# Altium PCB ssmaster.PcbDoc (part 2 of 2)
Units mm, origin at the board's own origin, x right, y up, seen from the top; angles counter-clockwise.
Board outline 103 x 75 mm, 4 copper layers (Top Layer, Ground Plane 1, Mid-Layer 1, Bottom Layer); 133 components, 273 nets, 1054 pads, 471 vias.
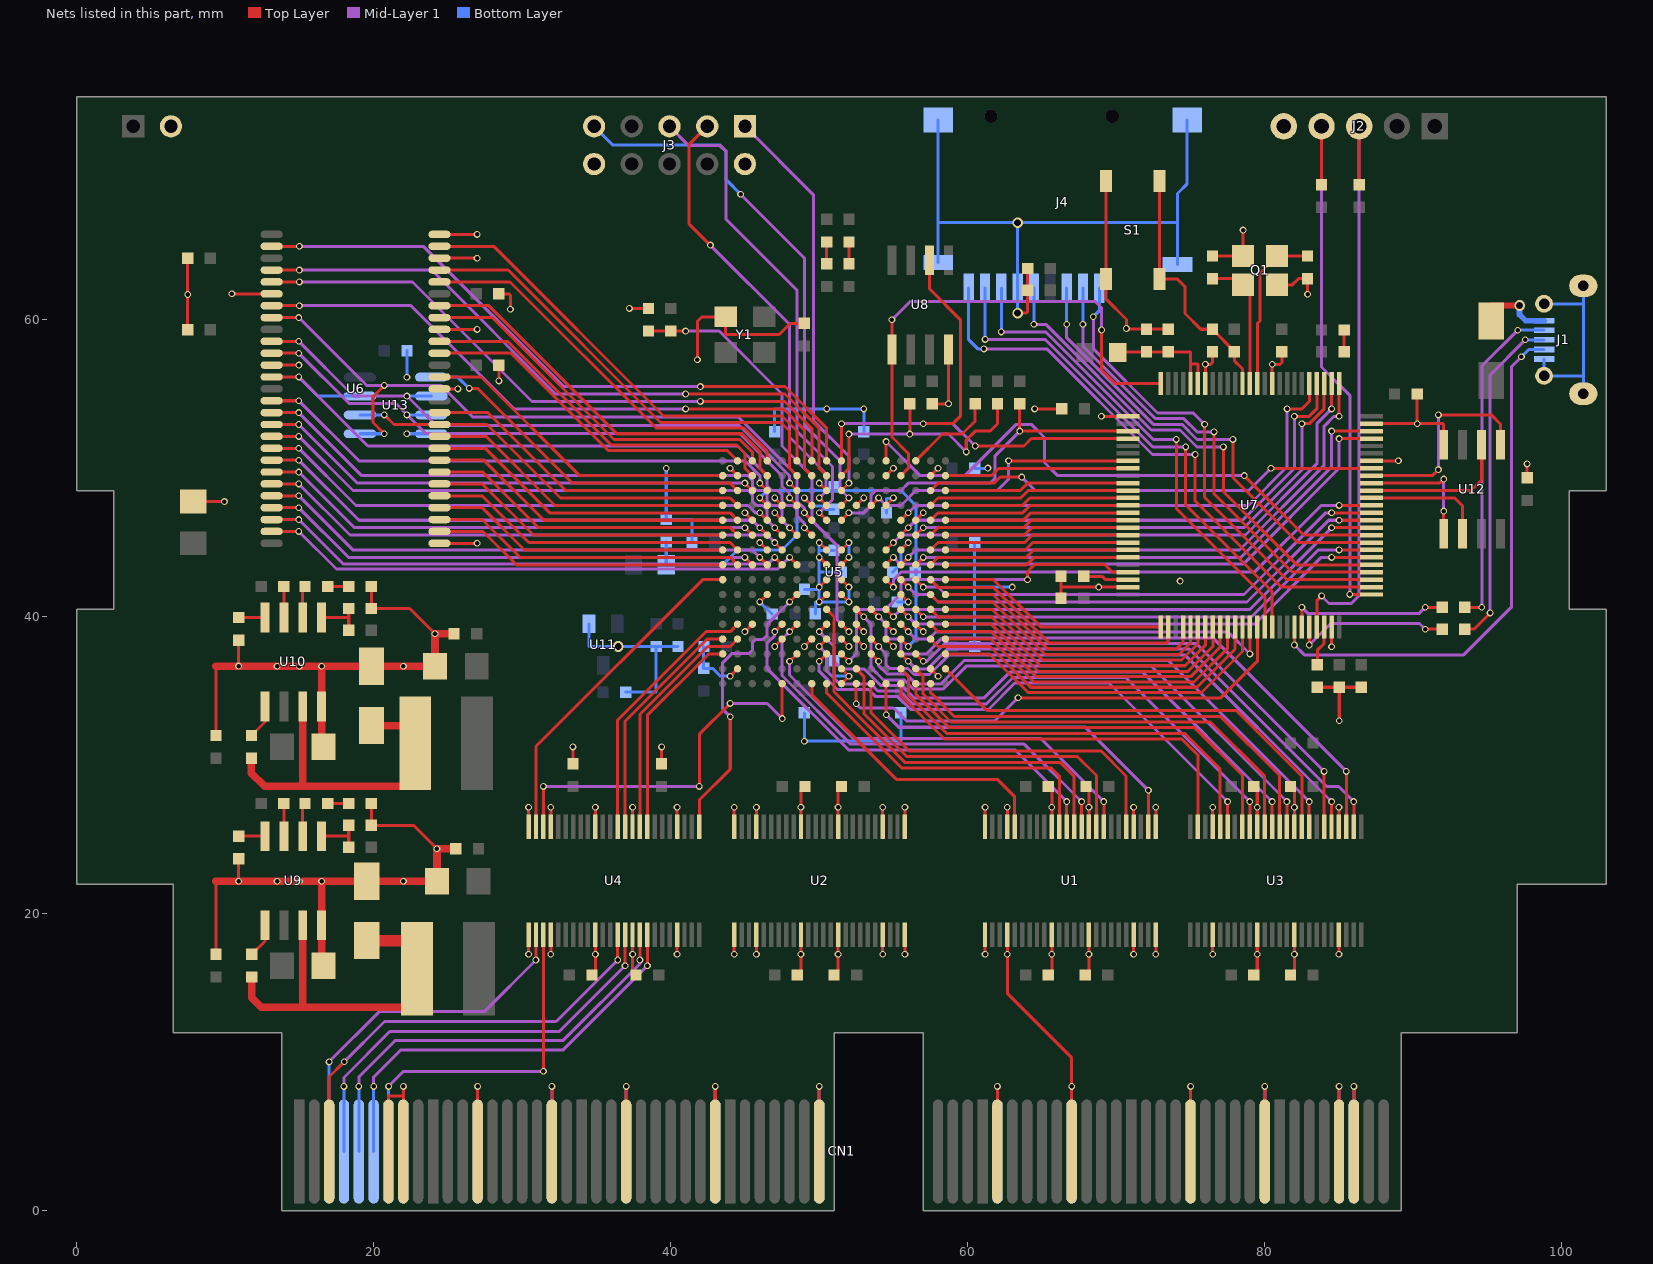
[diagram p4: the nets of this part, all layers, seen from the top]

## Via types
v1: diameter 0.457, hole 0.305, Top Layer to Bottom Layer, 446 vias
v2: diameter 0.711, hole 0.457, Top Layer to Bottom Layer, 25 vias

## Nets (pads, with @x,y where several pads share a name; then routed paths per layer and width w, separated by ;. In a path a pad name is that pad's centre, name@x,y a point inside that pad or via, vN(x,y) a via of type N, cw(c..) or ccw(c..) an arc to the next point about the centre after c; other vN are vias at no path point) (continued)
FD1: U3.43 U5.J14 | length 35.7
  Top Layer w0.203: v1(50,37) U5.J14@50.5,37.5 ; U3.43@77.493,25.85 v1(77.493,27.559)
  Mid-Layer 1 w0.203: v1(50,37) 50,36.333 51.23,35.103 53.315,35.103 53.797,34.62 55.296,34.62 56.159,33.757 61.392,33.757 63.17,35.535 69.518,35.535 v1(77.493,27.559)
FD2: U3.40 U5.J13 | length 37.9
  Top Layer w0.203: v1(50,38) U5.J13@50.5,38.5 ; U3.40@78.993,25.85 v1(78.993,27.559)
  Mid-Layer 1 w0.203: v1(50,38) 50.5,37.5 50.5,36.343 51.359,35.484 53.467,35.484 53.95,35.001 55.423,35.001 56.286,34.138 61.265,34.138 63.043,35.916 70.637,35.916 v1(78.993,27.559)
FD3: U3.37 U5.J12 | length 39.7
  Top Layer w0.203: v1(50,39) U5.J12@50.5,39.5 ; U3.37@80.493,25.85 v1(80.493,27.559)
  Mid-Layer 1 w0.203: v1(50,39) 51,38 51,37 51.5,36.5 53.01,36.5 54.127,35.382 55.55,35.382 56.413,34.519 61.087,34.519 62.865,36.297 71.756,36.297 v1(80.493,27.559)
FD4: U3.38 U5.C15 | length 30.6
  Top Layer w0.203: U5.C15@56.5,36.5 57,36 57,34.796 58.877,32.918 76.343,32.918 79.993,29.268 U3.38@79.993,25.85
FD5: U3.41 U5.C16 | length 28.4
  Top Layer w0.203: U5.C16@56.5,35.5 56.5,34.788 58.75,32.537 75.276,32.537 78.493,29.32 U3.41@78.493,25.85
FD6: U3.44 U5.D15 | length 28.9
  Top Layer w0.203: U5.D15@55.5,36.5 56,36 56,34.729 58.572,32.156 74.59,32.156 76.993,29.754 U3.44@76.993,25.85
FD7: U3.47 U5.D16 | length 27.3
  Top Layer w0.203: U5.D16@55.5,35.5 55.5,34.712 58.436,31.775 74.416,31.775 75.493,30.698 U3.47@75.493,25.85
FD8: U3.35 U5.G11 | length 39.1
  Top Layer w0.203: U5.G11@52.5,40.5 v1(53,40) ; U3.35@81.493,25.85 v1(81.493,27.559)
  Mid-Layer 1 w0.203: v1(53,40) 53.5,39.5 53.5,36.566 54.328,35.738 55.728,35.738 56.332,35.133 58.349,35.133 59.893,36.678 72.375,36.678 v1(81.493,27.559)
FD9: U3.32 U5.F14 | length 36.8
  Top Layer w0.203: U5.F14@53.5,37.5 v1(54,37) ; U3.32@82.993,25.85 v1(82.993,27.559)
  Mid-Layer 1 w0.203: v1(54,37) 54,36.703 54.559,36.144 55.855,36.144 56.535,35.464 58.162,35.464 59.757,37.059 73.494,37.059 v1(82.993,27.559)
FD10: U3.29 U5.F13 | length 38.8
  Top Layer w0.203: U5.F13@53.5,38.5 v1(54,38) ; U3.29@84.493,25.85 v1(84.493,27.559)
  Mid-Layer 1 w0.203: v1(54,38) 54.5,37.5 54.5,36.778 54.753,36.525 55.982,36.525 56.388,36.119 57.429,36.119 58.75,37.44 74.613,37.44 v1(84.493,27.559)
FD11: U3.26 U5.D14 | length 37.4
  Top Layer w0.203: U5.D14@55.5,37.5 v1(56,37) ; U3.26@85.993,25.85 v1(85.993,27.559)
  Mid-Layer 1 w0.203: v1(56,37) 56.5,36.5 57.303,36.5 58.623,37.821 74.93,37.821 84.176,28.575 84.977,28.575 v1(85.993,27.559)
FD12: U3.27 U5.F11 | length 42
  Top Layer w0.203: U5.F11@53.5,40.5 v1(54,40) ; U3.27@85.493,25.85 v1@85.493,29.591
  Mid-Layer 1 w0.203: v1(54,40) 54.5,39.5 54.5,38.7 54.7,38.5 55.3,38.5 55.5,38.3 55.5,37.7 55.7,37.5 57.21,37.5 58.293,38.583 76.495,38.583 v1(85.487,29.591)
FD13: U3.30 U5.C14 | length 35.5
  Top Layer w0.203: U5.C14@56.5,37.5 v1(57,37) ; U3.30@83.993,25.85 v1@83.993,29.591
  Mid-Layer 1 w0.203: v1(57,37) 57.244,37 58.445,38.202 75.378,38.202 v1(83.988,29.591)
FD14: U3.33 U5.A15 | length 30.4
  Top Layer w0.203: U5.A15@58.5,36.5 61.32,33.68 78.096,33.68 82.493,29.283 U3.33@82.493,25.85
FD15: U3.36 U5.B16 | length 29.9
  Top Layer w0.203: U5.B16@57.5,35.5 57.5,34.88 59.08,33.299 77.003,33.299 80.993,29.31 U3.36@80.993,25.85
FFC0: U1.35 U5.L12 | length 29.3
  Top Layer w0.203: v1(48,39) U5.L12@48.5,39.5 ; U1.35@67.663,25.85 v1(67.663,27.559)
  Mid-Layer 1 w0.203: v1(48,39) 47.5,38.5 47.5,36.041 52.121,31.42 63.802,31.42 v1(67.663,27.559)
FFC1: U1.36 U5.J11 | length 27.7
  Top Layer w0.203: U5.J11@50.5,40.5 51,40 51,34.954 55.753,30.201 66.223,30.201 67.163,29.261 U1.36@67.163,25.85
FIBCK: U4.33 U5.R13 | length 16.3
  Top Layer w0.203: U4.33@37.929,25.85 37.929,33.433 42.496,38 44,38 U5.R13@44.5,38.5
FILRCK: U4.32 U5.T14 | length 14.3
  Top Layer w0.203: U4.32@38.429,25.85 38.429,33.374 42.555,37.5 U5.T14@43.5,37.5
FISD: U4.35 U5.T13 | length 16
  Top Layer w0.203: U4.35@36.929,25.85 36.929,32.967 42.462,38.5 U5.T13@43.5,38.5
FL_CLK: U7.89 U12.6 | length 8.2
  Top Layer w0.203: U7.89@87.2,48 92.792,48 93.32,47.473 U12.6@93.32,45.59
FL_CS: U7.92 U12.1 | length 14.2
  Top Layer w0.203: U7.92@87.2,49.5 91.283,49.5 v1(91.694,49.911) ; v1(91.694,53.594) 95.25,53.594 95.86,52.984 U12.1@95.86,51.59
  Mid-Layer 1 w0.203: v1(91.694,49.911) v1(91.694,53.594)
FL_SI: U7.91 U12.5 | length 8.6
  Top Layer w0.203: U7.91@87.2,49 91.774,49 v1(92.05,49.276) ; U12.5@92.05,45.59 v1(92.05,47.117)
  Mid-Layer 1 w0.203: v1(92.05,47.117) v1(92.05,49.276)
FL_SO: U7.90 U12.2 | length 10.1
  Top Layer w0.203: U7.90@87.2,48.5 93.89,48.5 94.59,49.2 U12.2@94.59,51.59
FMCLK: U1.26 U5.E16 | length 24.3
  Top Layer w0.203: v1@54.499,33.401 U5.E16@54.5,35.5 U5.E16@54.5,35.5 ; U1.26@72.163,25.85 v1(72.163,28.321)
  Mid-Layer 1 w0.203: v1(54.508,33.401) 55.347,32.563 67.921,32.563 v1(72.163,28.321)
FOUTEN: U4.25 U5.L10 | length 19.8
  Top Layer w0.203: U4.25@41.929,25.85 41.929,27.664 44.009,29.743 v1(44.009,33.274) ; v1(48,41) U5.L10@48.5,41.5
  Mid-Layer 1 w0.203: v1(44.009,33.274) 43.501,33.782 43.501,36.906 44.11,37.516 45.253,37.516 45.507,37.77 45.507,38.278 45.711,38.481 46.219,38.481 46.498,38.76 46.498,39.498 v1(48,41)
FPGA_ASDO: R20.2 U5.C1 | length 6.3
  Top Layer w0.203: U5.C1@56.5,50.5 58.3,52.3 59.615,52.3 60.5,53.185 R20.2@60.5,54.338
FPGA_CFG: R19.1 U5.H5 U7.28 | length 24.7
  Top Layer w0.203: U5.H5@51.5,46.5 v1(52,47) ; v1(63.5,52.502) R19.1@63.5,54.338 ; v1@63.676,52.5 U7.28@70.8,52.5
  Mid-Layer 1 w0.203: v1(52,47) 53,47 53.5,47.5 53.5,48.2 53.8,48.5 55.5,48.5 56,49 61.5,49 61.846,49.346 61.846,50.848 v1(63.5,52.502)
FPGA_CS: U5.D2 U7.25 U8.1 | length 34.5
  Top Layer w0.203: v1(54.895,60) U8.1@54.895,58 54.895,52.105 56,51 56,50 U5.D2@55.5,49.5 ; v1(69.012,59.309) 69.012,56.642 69.954,55.7 U7.25@73,55.7
  Mid-Layer 1 w0.203: v1(54.895,60) 56.109,61.214 68.605,61.214 69.012,60.808 v1(69.012,59.309)
FPGA_DATA: R5.1 R21.1 U5.H2 | length 18.1
  Top Layer w0.203: U5.H2@51.5,49.5 52,50 v1(52,52.3) ; v1(56.1,52.3) R5.1@56.1,54.338 ; v1(59.9,51.1) 59.9,51.9 60.5,52.5 61.5,52.5 62,53 R21.1@62,54.338
  Mid-Layer 1 w0.203: v1(52,52.3) 58.7,52.3 v1(59.9,51.1)
FPGA_DCLK: U5.H1 U7.29 U8.6 | length 36.7
  Top Layer w0.203: U5.H1@51.5,50.5 v1(51.5,53) ; v1(57,53) 59,53 59.5,53.5 59.5,60 57.435,62.065 U8.6@57.435,64 ; v1(60.5,51.5) 63.784,51.5 64.284,52 U7.29@70.8,52
  Mid-Layer 1 w0.203: v1(51.5,53) v1(57,53) 59,53 v1(60.5,51.5)
FPGA_DONE: U5.H14 U7.47 | length 24.8
  Top Layer w0.203: U5.H14@51.5,37.5 v1(52,37) ; v1(64.024,42.5) 64.024,43.044 64.516,43.536 69.206,43.536 69.741,43 U7.47@70.8,43
  Mid-Layer 1 w0.203: v1(52,37) 52.5,37.5 52.5,40.3 52.7,40.5 54.47,40.5 55.5,41.53 55.5,42.2 55.8,42.5 v1(64.024,42.5)
FPGA_INIT: U5.G16 U7.64 | length 32.8
  Top Layer w0.203: v1(52.492,34.138) 52.492,35.492 U5.G16@52.5,35.5 ; v1(63.389,34.544) 77.044,34.544 79.5,37 79.5,37.5 U7.64@79.5,39.3
  Mid-Layer 1 w0.203: v1(52.492,34.138) 52.772,33.858 55.016,33.858 55.88,32.995 61.84,32.995 v1(63.389,34.544)
FPGA_STAT: U5.F4 U7.32 | length 19.7
  Top Layer w0.203: U5.F4@53.5,47.5 v1(54,48) ; v1(62.754,50.5) U7.32@70.8,50.5
  Mid-Layer 1 w0.203: v1(54,48) 54.5,47.5 55.5,47.5 56.5,48.5 61.978,48.5 62.754,49.276 v1(62.754,50.5)
FRD: U1.44 U5.K16 | length 19.3
  Top Layer w0.203: U5.K16@49.5,35.5 49.5,34.752 55.194,29.058 61.995,29.058 63.163,27.889 U1.44@63.163,25.85
FSPCLK: U4.46 U5.M16 | length 27.7
  Top Layer w0.203: U4.46@31.429,25.85 v1(31.429,28.575) ; v1(41.926,28.575) 41.926,32.087 v1(44.002,34.163) ; 47.5,33.8 U5.M16@47.5,35.5 47.5,33.154 v1(47.507,33.147)
  Mid-Layer 1 w0.203: v1(31.429,28.575) v1(41.926,28.575) ; v1(44.002,34.163) 46.491,34.163 v1(47.507,33.147)
FSSEL: U4.36 U5.R12 | length 17.9
  Top Layer w0.203: U4.36@36.429,25.85 36.429,33.051 42.378,39 44,39 U5.R12@44.5,39.5
FSYSRES: U4.47 U5.T9 | length 22.6
  Top Layer w0.203: U4.47@30.929,25.85 30.929,31.277 42.152,42.5 U5.T9@43.5,42.5
FTIM0: U1.32 U5.L14 | length 28
  Top Layer w0.203: v1(48,37) U5.L14@48.5,37.5 ; U1.32@69.163,25.85 v1(69.163,27.559)
  Mid-Layer 1 w0.203: v1(48,37) 48,36.074 52.273,31.801 64.921,31.801 v1(69.163,27.559)
FTIM1: U1.33 U5.G15 | length 24.1
  Top Layer w0.203: U5.G15@52.5,36.5 53,36 53,33.487 55.905,30.582 67.393,30.582 68.663,29.312 U1.33@68.663,25.85
FTIM2: U1.29 U5.F16 | length 24.3
  Top Layer w0.203: U5.F16@53.5,35.5 53.5,33.52 56.058,30.963 68.987,30.963 70.663,29.286 U1.29@70.663,25.85
FWR0: U1.37 U5.M12 | length 29
  Top Layer w0.203: v1(47,39) U5.M12@47.5,39.5 ; U1.37@66.663,25.85 v1(66.663,27.559)
  Mid-Layer 1 w0.203: v1(47,39) 47,38.729 46.5,38.229 46.5,36.507 51.968,31.039 63.183,31.039 v1(66.663,27.559)
FWR1: U1.38 U5.J16 | length 22
  Top Layer w0.203: U5.J16@50.5,35.5 50.5,34.869 55.55,29.82 65.63,29.82 66.163,29.286 U1.38@66.163,25.85
GND: C1.1 C2.1 C3.1 C4.1 C5.2 C6.2 C7.2 C8.1 C9.1 C10.1 C11.1 C12.1 C13.1 C14.1 C15.1 C16.2 C17.1 C18.1 C19.1 C20.1 C21.1 C24.2 C25.1 C26.1 C27.1 C30.2 C31.1 C32.1 C33.1 C34.1 C35.1 C36.1 C37.1 C38.1 C39.1 C40.1 C41.1 C42.1 C43.1 C44.1 C45.1 C46.1 C47.1 C48.1 C49.1 C50.1 C51.1 C52.1 C53.1 C54.1 C55.1 C56.1 C57.1 C58.1 C59.1 C60.1 C61.1 C62.1 C63.1 C64.1 C65.1 C66.1 C67.1 C68.1 C69.1 C70.1 C71.1 C72.1 C73.1 C74.1 C75.1 C76.1 C77.1 C78.1 CN1.A8 CN1.A13 CN1.A18 CN1.A23 CN1.A29 CN1.A36 CN1.A41 CN1.A46 CN1.A54 CN1.A59 CN1.A64 CN1.A65 CN1.B7 CN1.B8 CN1.B13 CN1.B18 CN1.B23 CN1.B29 CN1.B36 CN1.B41 CN1.B46 CN1.B54 CN1.B59 CN1.B64 CN1.B65 D5.1 D6.1 J1.5 J1.6 J1.7 J1.8 J1.9 J2.5 J3.2 J3.10 J4.6 J4.10 J4.11 J4.12 J4.13 J5.2 Q1.2 Q1.4 R7.1 R9.2 R10.1 R13.2 R14.1 S1.1 U1.1 U1.4 U1.10 U1.15 U1.21 U1.24 U1.25 U1.28 U1.34 U1.39 U1.45 U1.48 U2.1 U2.4 U2.10 U2.15 U2.21 U2.24 U2.25 U2.28 U2.34 U2.39 U2.45 U2.48 U3.4 U3.10 U3.15 U3.21 U3.28 U3.34 U3.39 U3.45 U4.1 U4.4 U4.10 U4.15 U4.21 U4.28 U4.34 U4.39 U4.45 U4.48 U5.B2 U5.B15 U5.C5 U5.C12 U5.D7 U5.D10 U5.E2 U5.E4 U5.E12 U5.E13 U5.G4 U5.G12 U5.G13 U5.H7 U5.H8 U5.H9 U5.H10 U5.H13 U5.H15 U5.H16 U5.J3 U5.J7 U5.J8 U5.J9 U5.J10 U5.K4 U5.K13 U5.M4 U5.M5 U5.M13 U5.N7 U5.N10 U5.P5 U5.P12 U5.R2 U5.R15 U6.6 U6.12 U6.28 U6.41 U6.46 U6.52 U6.54 U7.10 U7.19 U7.26 U7.49 U7.74 U7.94 U7.99 U8.4 U9.4 U10.4 U11.1 U12.4 U13.4 Y1.2 | length 526.6
  Top Layer w0.203: C2.1@7.477,59.334 v1(7.477,61.7) C1.1@7.477,64.135 ; C5.2@7.858,47.755 v1(9.955,47.755) ; C20.1@9.382,17.272 9.382,22.175 ; C26.1@9.382,32.004 9.382,36.653 ; v1(10.46,61.747) U6.6@13.13,61.747 ; v1(10.906,22.199) C21.1@10.906,23.698 ; v1(10.906,36.677) C27.1@10.906,38.43 ; U6.12@13.13,56.947 v1(14.97,56.947) ; R9.2@19.847,27.432 R10.1@19.847,25.959 22.689,25.959 v1(24.263,24.384) ; R13.2@19.847,42.037 R14.1@19.847,40.564 22.428,40.564 v1(24.13,38.862) ; CN1.B7@21,4 21,7.747 22,7.747 ; CN1.B8@22,4 v1(22,8.382) ; U6.28@24.43,44.947 v1(26.96,44.947) ; U6.41@24.43,55.347 v1(25.67,55.347) ; U6.46@24.43,59.347 v1(26.96,59.347) ; U6.52@24.43,64.147 v1(26.96,64.147) ; U6.54@24.43,65.747 v1(26.96,65.747) ; CN1.B13@27,4 v1(27,8.382) ; v1(28.432,55.88) C4.1@28.432,56.947 ; C3.1@28.432,61.747 29.108,61.747 29.21,61.646 v1(29.21,60.706) ; v1(30.429,17.272) U4.1@30.429,18.6 ; U4.48@30.429,25.85 v1(30.429,27.178) ; v1(31.929,17.272) U4.4@31.929,18.6 ; U4.45@31.929,25.85 v1(31.929,27.178) ; CN1.B18@32,4 v1(32,8.382) ; C64.1@33.417,30.099 v1(33.417,31.242) ; C67.1@34.929,16.133 v1(34.929,17.272) U4.10@34.929,18.6 ; U4.39@34.929,25.85 v1(34.929,27.178) ; CN1.B23@37,4 v1(37,8.382) ; v1(37.216,60.762) R7.1@38.5,60.762 ; C68.1@37.429,16.114 v1(37.429,17.272) U4.15@37.429,18.6 ; U4.34@37.429,25.85 v1(37.429,27.178) ; C63.1@39.386,30.099 v1(39.386,31.242) ; U4.21@40.429,18.6 v1(40.429,17.272) v1@40.446,17.255 ; U4.28@40.429,25.85 v1(40.429,27.178) ; v1(41.8,57.3) 41.8,59.9 42.1,60.2 Y1.2@43.7,60.2 43.7,59 47.3,59 48.062,59.762 C18.1@49,59.762 ; CN1.B29@43,4 v1(43,8.382) ; v1(44,36) U5.R15@44.5,36.5 ; v1(44,50) U5.R2@44.5,49.5 ; v1(44.272,17.272) U2.1@44.272,18.6 ; U2.48@44.272,25.85 v1(44.272,27.178) ; v1(45,39) U5.P12@45.5,39.5 ; v1(45,47) U5.P5@45.5,46.5 ; v1(45.772,17.272) U2.4@45.772,18.6 ; U2.45@45.772,25.85 v1(45.772,27.178) ; v1(46,41) U5.N10@46.5,41.5 ; v1(46,45) U5.N7@46.5,44.5 ; v1(47,38) U5.M13@47.5,38.5 ; v1(47,47) U5.M5@47.5,46.5 ; v1(47,48) U5.M4@47.5,47.5 ; C66.1@48.772,16.117 v1(48.772,17.272) U2.10@48.772,18.6 ; U2.39@48.772,25.85 v1(48.772,27.178) C61.1@48.772,28.309 ; v1(49,38) U5.K13@49.5,38.5 ; v1(49,48) U5.K4@49.5,47.5 ; CN1.B36@50,4 v1(50,8.382) ; v1(50,41) U5.J10@50.5,41.5 ; v1(50,42) U5.J9@50.5,42.5 ; v1(50,44) U5.J8@50.5,43.5 ; v1(50,45) U5.J7@50.5,44.5 ; v1(50,49) U5.J3@50.5,48.5 ; C65.1@51.272,16.153 v1(51.272,17.272) U2.15@51.272,18.6 ; U2.34@51.272,25.85 v1(51.272,27.178) C62.1@51.272,28.345 ; U5.H16@51.5,35.5 v1(52,36) U5.H15@51.5,36.5 ; U5.H13@51.5,38.5 v1(52,38) ; U5.H10@51.5,41.5 v1(52,41) ; U5.H9@51.5,42.5 v1(52,42) ; U5.H8@51.5,43.5 v1(52,44) ; U5.H7@51.5,44.5 v1(52,45) ; U5.G13@52.5,38.5 v1(53,38) ; U5.G12@52.5,39.5 v1(53,39) ; U5.G4@52.5,47.5 v1(53,48) ; v1(54.272,17.272) U2.21@54.272,18.6 ; U2.28@54.272,25.85 v1(54.272,27.178) ; U5.E13@54.5,38.5 v1(55,38) ; U5.E12@54.5,39.5 v1(55,39) ; U5.E4@54.5,47.5 v1(55,48) ; U5.E2@54.5,49.5 v1(55,50) ; U5.D10@55.5,41.5 v1(56,41) ; U5.D7@55.5,44.5 v1(56,45) ; v1(55.772,17.272) U2.24@55.772,18.6 ; U2.25@55.772,25.85 v1(55.772,27.178) ; U5.C12@56.5,39.5 v1(57,39) ; U5.C5@56.5,46.5 v1(57,47) ; U5.B15@57.5,36.5 v1(58,36) ; U5.B2@57.5,49.5 v1(58,50) ; C17.1@57.6,54.338 v1(58.705,54.338) U8.4@58.705,58 ; v1(61.163,17.272) U1.1@61.163,18.6 ; U1.48@61.163,25.85 v1(61.163,27.178) ; CN1.B41@62,4 v1(62,8.382) ; U1.4@62.663,18.6 v1(62.663,17.272) 62.663,14.645 67,10.308 v1(67,8.382) CN1.B46@67,4 ; U1.45@62.663,25.85 v1(62.663,27.178) ; v2(63.359,60.452) 63.957,60.452 64.033,60.528 C73.1@64.033,61.976 C74.1@64.033,63.449 ; v1(64.5,54) C10.1@66.338,54 ; C72.1@65.663,16.117 v1(65.663,17.272) U1.10@65.663,18.6 ; U1.39@65.663,25.85 v1(65.663,27.178) C60.1@65.663,28.333 ; C11.1@66.285,41.25 C75.1@66.285,42.723 ; 66.296,42 v1(68.822,42) U7.49@70.8,42 ; C71.1@68.163,16.128 v1(68.163,17.272) U1.15@68.163,18.6 ; U1.34@68.163,25.85 v1(68.163,27.178) C59.1@68.163,28.373 ; v1@69,53.5 U7.26@70.8,53.5 ; S1.1@69.32,69.34 S1.1@69.32,62.74 69.32,61.388 70.688,60.02 v1(70.688,59.411) 70.737,59.362 C14.1@73.5,59.362 ; v1(71.163,17.272) U1.21@71.163,18.6 ; U1.28@71.163,25.85 v1(71.163,27.178) ; v1(72.663,17.272) U1.24@72.663,18.6 ; U1.25@72.663,25.85 v1(72.663,27.178) ; CN1.B54@75,4 v1(75,8.382) ; U7.19@76,55.7 v1(76,57) 76.355,57 76.479,57.125 C16.2@76.479,57.836 ; C7.2@76.479,64.287 Q1.4@78.52,64.287 ; v1(76.493,17.272) U3.4@76.493,18.6 ; U3.45@76.493,25.85 v1(76.493,27.178) ; Q1.4@78.53,64.297 v1@78.53,66.033 ; C70.1@79.493,16.104 v1(79.493,17.272) U3.10@79.493,18.6 ; U3.39@79.493,25.85 v1(79.493,27.178) C58.1@79.493,28.346 ; CN1.B59@80,4 v1(80,8.382) ; U7.10@80.5,55.7 v1(80.5,57) 81.028,57 81.153,57.125 C9.1@81.153,57.836 ; Q1.2@80.83,62.347 81.854,62.347 82.271,62.763 C6.2@82.88,62.763 v1(82.88,61.722) ; C69.1@81.993,16.141 v1(81.993,17.272) U3.15@81.993,18.6 ; U3.34@81.993,25.85 v1(81.993,27.178) C57.1@81.993,28.309 ; C76.1@83.541,35.255 C12.1@85.014,35.255 ; v1(84.5,37.983) U7.74@84.5,39.3 ; v1(84.993,17.272) U3.21@84.993,18.6 ; U3.28@84.993,25.85 v1(84.993,27.178) ; CN1.B64@85,4 v1(85,8.382) ; v1(85.014,32.995) C12.1@85.014,35.255 ; CN1.B65@86,4 v1(86,8.382) ; C13.1@86.487,35.255 C12.1@85.014,35.255 ; U7.94@87.2,50.5 v1(89,50.5) ; U7.99@87.2,53 89,53 v1(90.262,53) ; C8.1@90.262,55 v1(90.262,53) ; U12.4@92.05,51.59 92.05,52.934 91.983,53 v1(90.262,53) ; C77.1@97.663,49.352 v1(97.663,50.292)
  Top Layer w0.508: 9.382,22.193 v1(13.5,22.193) v1(15,22.193) D5.1@19.542,22.193 v1(22,22.193) C24.2@24.257,22.193 ; 9.382,36.671 v1(13.5,36.671) v1(15,36.671) D6.1@19.847,36.671 v1(22,36.671) 24.13,36.671 v1(24.13,38.862) C55.1@25.409,38.862 ; C19.1@16.494,16.64 U9.4@16.494,19.225 v1(16.494,22.193) ; C25.1@16.494,31.372 U10.4@16.494,33.957 v1(16.494,36.665) ; C24.2@24.263,22.2 v1(24.263,24.384) C54.1@25.536,24.384
  Bottom Layer w0.203: CN1.A8@22,4 v1(22,8.382) ; v1(22.241,52.324) U13.4@23.879,52.324 ; v1(22.241,56.134) C78.1@22.241,57.912 ; CN1.A13@27,4 v1(27,8.382) ; CN1.A18@32,4 v1(32,8.382) ; U11.1@34.499,39.52 34.499,37.998 C32.1@39.024,37.998 ; C31.1@36.971,34.925 39.024,34.925 C32.1@39.024,37.998 ; CN1.A23@37,4 v1(37,8.382) ; v1(39.7,50) C49.1@39.7,46.562 41.438,46.562 C40.1@41.438,45 ; C56.1@40.497,37.998 C32.1@39.024,37.998 ; C41.1@42.224,37.986 C39.1@42.224,36.525 42.834,36.525 43.359,36 v1(44,36) ; CN1.A29@43,4 v1(43,8.382) ; v1(46,41) C52.1@46.817,40.183 ; C47.1@47,52.462 47,54 v1(50.5,54) v1(53,54) C46.1@53,52.462 ; C42.1@49,33.538 v1(49,31.623) 55.5,31.623 C43.1@55.5,33.538 ; v1(49,48) 49.543,47.457 50.189,47.457 50.409,47.238 C50.1@51,47.238 ; C37.1@49.006,41.845 50,41.845 v1(50,41) v1(52,41) v1(52,42) ; C38.1@49.738,40.2 49.738,41 ; CN1.A36@50,4 v1(50,8.382) ; v1(50,42) v1(50,44) v1(50,45) ; 50,43 C36.1@51.493,43 ; 50.022,44.478 C35.1@51,44.478 ; C53.1@51,37.038 51,36 v1(52,36) ; v1(52,44) v1(52,45) ; C33.1@54.524,47 54.524,47.976 v1@54.976,47.976 ; C51.1@54.938,43 55.5,43.562 55.5,44.5 v1(56,45) ; C34.1@55.262,41 v1(56,41) ; J4.11@58.014,63.856 J4.12@58.014,73.457 ; 58.027,66.536 v2(63.359,66.536) ; C44.1@60.462,38 60.462,42 ; C45.1@60.462,45 60.462,42 ; C48.1@60.462,50 v1@61.357,50 ; CN1.A41@62,4 v1(62,8.382) ; v1(63,42) 60.462,42 ; v2(63.359,60.452) J4.6@63.359,62.128 v2(63.359,66.536) ; CN1.A46@67,4 v1(67,8.382) ; 74.104,66.536 v2(63.359,66.536) ; J4.10@74.117,63.729 74.117,68.504 74.778,69.164 J4.13@74.778,73.457 ; CN1.A54@75,4 v1(75,8.382) ; CN1.A59@80,4 v1(80,8.382) ; CN1.A64@85,4 v1(85,8.382) ; CN1.A65@86,4 v1(86,8.382) ; J1.5@98.806,57.353 J1.9@98.806,56.223 101.409,56.223 ; J1.8@98.806,61.074 101.435,61.074 ; J1.6@101.448,55.016 J1.7@101.448,62.281
  other v1: 74.3,42.4 61.357,50.013 69,53.498 78.537,66.04
  other v2: 36.465,37.998
GPIO0: U5.A2 U7.33 | length 12.5
  Top Layer w0.203: U5.A2@58.5,49.5 61.606,49.5 62.106,50 U7.33@70.8,50
GPIO2: U5.A3 U7.35 | length 12.5
  Top Layer w0.203: U5.A3@58.5,48.5 63.537,48.5 64.037,49 U7.35@70.8,49
GPIO3: U5.B4 U7.36 | length 13.7
  Top Layer w0.203: U5.B4@57.5,47.5 58,48 63.57,48 64.07,48.5 U7.36@70.8,48.5
I2S2_MCK: U5.D12 U7.63 | length 26.5
  Top Layer w0.203: U5.D12@55.5,39.5 v1(56,39) ; v1(79,37.5) U7.63@79,39.3
  Mid-Layer 1 w0.203: v1(56,39) 56.494,38.506 57.379,38.506 57.836,38.964 77.536,38.964 v1(79,37.5)
IBCK: CN1.A5 U4.16 | length 29.1
  Top Layer w0.203: v1(37.929,16.891) U4.16@37.929,18.6
  Mid-Layer 1 w0.203: v1(19,8.382) 19,9.008 21.472,11.481 32.766,11.481 37.929,16.644 v1(37.929,16.891)
  Bottom Layer w0.203: CN1.A5@19,4 v1(19,8.382)
ILRCK: CN1.A6 U4.17 | length 28.6
  Top Layer w0.203: v1(38.429,16.51) U4.17@38.429,18.6
  Mid-Layer 1 w0.203: v1(20,8.382) 20,9.016 21.804,10.82 32.739,10.82 v1(38.429,16.51)
  Bottom Layer w0.203: CN1.A6@20,4 v1(20,8.382)
ISD: CN1.A4 U4.14 | length 29.1
  Top Layer w0.203: v1(36.929,16.51) U4.14@36.929,18.6
  Mid-Layer 1 w0.203: v1(18,8.382) 18,8.984 21.106,12.09 32.509,12.09 v1(36.929,16.51)
  Bottom Layer w0.203: CN1.A4@18,4 v1(18,8.382)
MA0: U5.N8 U6.23 | length 35.3
  Top Layer w0.203: U6.23@13.13,48.147 v1(14.96,48.147) ; v1(46,44) U5.N8@46.5,43.5